# KiCad board reform2-motherboard.kicad_pcb (continued)
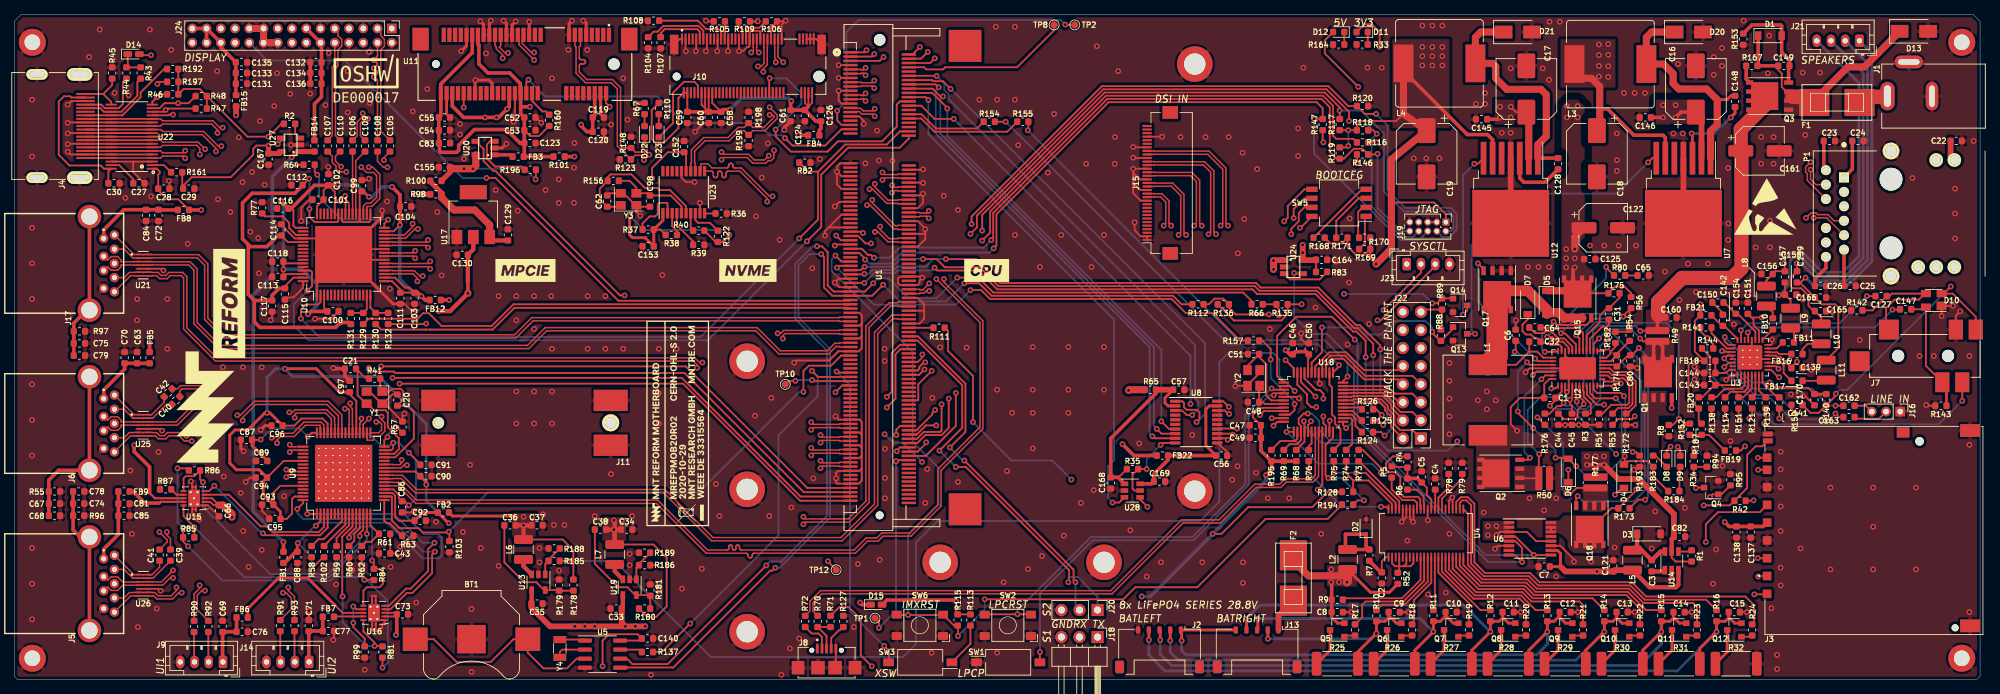
[diagram p0: board, top side]
## Routing (per net, layer and track width the routed paths; a pad name or vN(x,y) marks a point on that pad's centre or on a via; arc(x,y) is an arc through that point) (continued)
Net-(TP2-Pad1): length 48.1
  Top w0.25: U1.35 116.15,77.95 115.55,78.55 v1(115.55,79.95) ; TP2.1 147.6,92 v1(147.55,92.05)
  Bottom w0.25: v1(115.55,79.95) 116.85,81.25 116.85,91 118.55,92.7 146.9,92.7 v1(147.55,92.05)
Net-(TP8-Pad1): length 23.6
  Top w0.25: U1.8 127.75,86.05 128.05,85.75 130.4,85.75 130.7,86.05 140.8,86.05 146,91.25 TP8.1
Net-(TP10-Pad1): length 9.5
  Top w0.25: v1(109.67,42) 108.75,42 TP10.1 ; U1.143 112.15,41.95 v1(112,42.1)
  Bottom w0.25: v1(109.67,42) 109.77,42.1 v1(112,42.1)
Net-(TP12-Pad1): length 23.1
  Top w0.25: v1(114.25,16.65) 114.25,16.6 TP12.1 ; U1.174 124.35,32.65 123.9,32.2 v1(123.9,32.1)
  Signal.Cu w0.25: v1(114.25,16.65) 114.25,22.45 v1(123.9,32.1)
Net-(U5-Pad1): length 3.6
  Top w0.25: U5.1 79.98,5.65 Y4.1
Net-(U5-Pad2): length 4.4
  Top w0.25: 80.12,4.24 76.94,4.24 76.6,3.9 Y4.2

## Copper pours and planes (outline as drawn; the poured copper is in the pictures)
+1V2 on Top: 69.9,23.4 73.2,23.4 73.2,20.1 69.9,20.1
+1V2 on Power.Cu: 69.9,23.4 73.2,23.4 73.2,20.1 69.9,20.1
+1V5 on Top: 82.6,22.82 85.9,22.82 85.9,19.52 82.6,19.52
+1V5 on Power.Cu: 82.59,22.9 85.89,22.9 85.89,19.6 82.59,19.6
+3V3 on Top: 193.5,90 201.5,90 201.5,77.5 193.5,77.5
+3V3 on Power.Cu: 196.75,90.25 201.5,90.25 201.5,85 196.75,85
+5V on Top: 217.1,83.2 224.8,83.2 224.8,90 217.1,90
+5V on Power.Cu: 217.1,83.2 224.8,83.2 224.8,90 217.1,90
/Reform 2 Power/30V_GATE on Top: 207.9,81.5 211,81.5 211,78 207.9,78
/Reform 2 Power/30V_GATE on Top: 220,28 220,32.1 224,32.1 224,28
/Reform 2 Power/30V_GATE on Top: 235,81.5 230.5,81.5 230.5,78 235,78
/Reform 2 Power/30V_GATE on Top: 221.75,58 221.75,55.75 217.25,55.75 217.25,81.5 220.5,81.5 220.5,58
/Reform 2 Power/30V_GATE on Power.Cu: 217.2,61.5 220.3,61.5 220.3,59.1 221.8,57.6 221.8,45.4 224.1,43.1 224.1,29.5 220,29.5 220,34.8 221.1,35.94 221.1,41.46 220.4,42.2 217.2,45.4
/Reform 2 Power/30V_GATE on Power.Cu: 234.5,81.5 207.9,81.5 207.9,78 234.5,78
GND on Top: -0.5,93.5 276.5,93.5 276.5,-0.5 -0.5,-0.5
GND on Top: 206.9,56.52 206.9,60.42 210.8,60.42 210.8,56.52
GND on Bottom: 276.5,93.5 276.5,-0.5 -0.5,-0.5 -0.5,93.5
GND on GND.Cu: 276.5,93.5 276.5,-0.5 -0.5,-0.5 -0.5,93.5
GND on Signal.Cu: 276.5,93.5 276.5,-0.5 -0.5,-0.5 -0.5,93.5
GND on Power.Cu: -0.5,93.5 276.5,93.5 276.5,-0.5 -0.5,-0.5
GND on GND2.Cu: 276.5,93.5 276.5,-0.5 -0.5,-0.5 -0.5,93.5
/Reform 2 Power/BAT1FUSED on Top: 210,22.3 206.2,22.3 206.2,19.6 210,19.6
/Reform 2 Power/BAT1FUSED on Top: 188.5,16.1 184.3,16.1 184.3,13.1 188.5,13.1
/Reform 2 Power/BAT1FUSED on Power.Cu: 208.8,22.3 206.2,22.3 206.2,19.6 208.8,19.6
/Reform 2 Power/BAT1FUSED on Power.Cu: 184.3,13.1 184.3,16.1 188.5,16.1 188.5,13.1
Net-(C1-Pad2) on Top: 205.25,35.75 211.9,35.75 211.9,34.8 228.5,34.9 228.5,40.6 233.2,40.6 233.2,37.1 230.9,37.1 230.9,32.6 210,32.6 210,26.75 205.25,26.75
Net-(C45-Pad2) on Top: 214,30.1 214,26.5 210.6,26.5 210.6,30.1
Net-(C149-Pad1) on Top: 248.45,83 252.7,83 252.7,79.25 248.45,79.25
Net-(C160-Pad1) on Top: 229.08,49.3 229.08,52 232.48,52 232.48,49.3
Net-(Q1-Pad5) on Top: 228.4,46.7 229,46.7 229,47.7 233.1,47.7 233.1,44.4 228.4,44.4
Net-(Q18-Pad1) on Top: 220.1,27.3 223.8,27.3 223.8,23.6 220.1,23.6
Net-(Q18-Pad5) on Top: 215,22.4 216.9,22.4 217.6,23.1 223.2,23.1 223.2,17.8 218.9,17.8 218.1,18.6 218.1,19.6 217.2,20.5 215,20

## Text on the board
F.SilkS: DISPLAY | XSW | IMXRST | LPCP | LPCRST | GNDRX TX | BATLEFT | DSI IN | BATRIGHT | BOOTCFG | 5V | 3V3 | JTAG | SYSCTL | SPEAKERS | LINE IN | 8x LiFePO4 SERIES 28.8V | UI1 | UI2 | S2 | S1 | HACK THE PLANET
